# Altium PCB Board_Design.PcbDoc (part 2 of 3)
Units mil, origin at the board's own origin, x right, y up, seen from the top; angles counter-clockwise.
Board outline 5510 x 2520.05 mil, 4 copper layers (Top Layer, Power, Ground, Bottom Layer); 243 components, 205 nets, 933 pads, 499 vias.
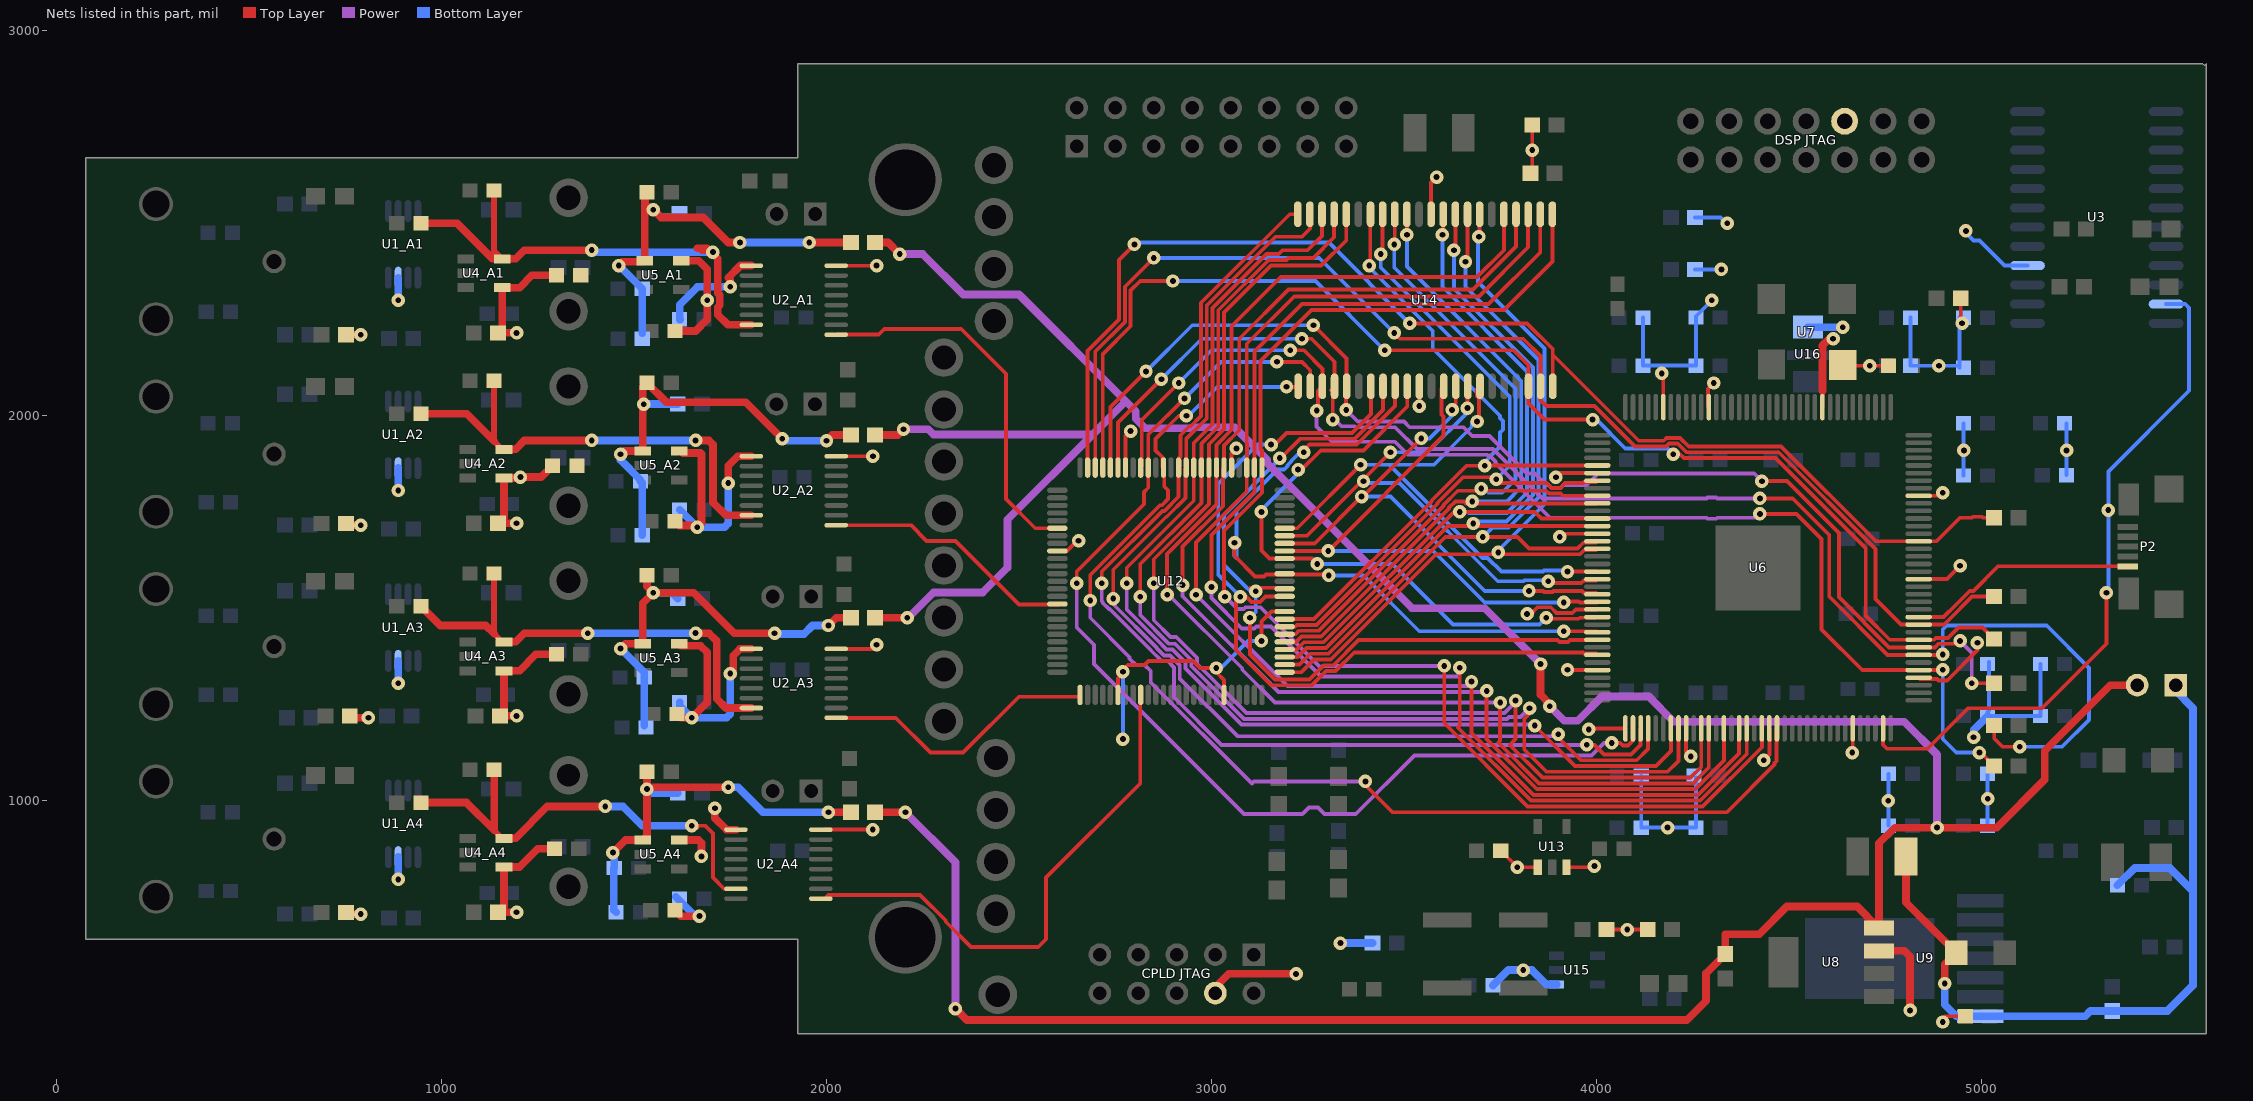
[diagram p4: the nets of this part, all layers, seen from the top]

## Via types
v1: diameter 35, hole 15, Top Layer to Bottom Layer, tented both sides, 473 vias
v2: diameter 35, hole 15, Top Layer to Bottom Layer, 25 vias
v3: diameter 35, hole 15, Top Layer to Bottom Layer, tented top, 1 vias

## Nets (pads, with @x,y where several pads share a name; then routed paths per layer and width w, separated by ;. In a path a pad name is that pad's centre, name@x,y a point inside that pad or via, vN(x,y) a via of type N, cw(c..) or ccw(c..) an arc to the next point about the centre after c; other vN are vias at no path point) (continued)
3.3VD: "CPLD JTAG.4" "DSP JTAG.5" C23.1 C24.1 C25.1 C26.1 C27.1 C28.1 C29.1 C30.1 C31.1 C32.1 C33.1 C34.1 C35.1 C36.1 C37.1 C38.1 C39.1 C40.1 C41.1 C42.1 C43.1 C44.1 C45.1 C46.1 C53.1 C55.1 C56.1 C57.1 R6.2 R9.1 R11.1 R12.1 R25.1 R26.2 R27.1 R39.1 U2_A1.16 U2_A2.16 U2_A3.16 U2_A4.16 U3.16 U6.10 U6.25 U6.31 U6.42 U6.50 U6.60 U6.68 U6.73 U6.81 U6.92 U6.103 U6.112 U6.125 U6.136 U7.4 U8.3 U12.9 U12.31 U12.45 U12.59 U12.80 U12.94 U13.1 U13.3 U14.11 U14.33 U15.1 U16.1 | length 7352.9
  Top Layer w10: U2_A4.16@1995.47,925 v1(2120,925) ; U2_A3.16@2025.24,1394.27 v1@2124.05,1394.27 ; U2_A2.16@2025.24,1894.78 v1(2120.43,1894.78) ; U2_A1.16@2025.24,2389.78 v1@2129.57,2389.78 ; U12.9@2599.72,1648.74 2624.85,1648.74 2651.11,1675 v1(2655,1675) ; U12.31@2757.2,1274.72 2757.2,1317.8 2770,1330.59 v1(2770,1335) v1@2765,1335 ; v1@2760,1330 v1@2765,1335 ; U12.94@2776.89,1865.28 2776.89,1946.89 v1(2790,1960) ; 3010,500 3010,515 ; U12.45@3032.8,1274.72 3032.8,1313.31 3012.48,1333.63 v1(3012.48,1344.59) 2970.41,1344.59 2952.5,1362.5 2836.39,1362.5 2826.39,1352.5 2782.5,1352.5 v1@2765,1335 ; U12.80@3052.48,1865.28 3052.48,1902.48 v1(3065,1915) ; v1(3130,1415) 3130,1465 3156.26,1491.26 U12.59@3190.28,1491.26 ; v1@3540.25,2020.25 U14.33@3540.25,2076.5 ; U14.11@3570.75,2523.5 3570.75,2605.75 v1(3585,2620) ; C53.1@3751.5,870 v1(3794.65,826.85) U13.1@3847.6,826.85 ; v1(3820,1485) 3830,1485 3847.5,1502.5 3881.39,1502.5 3896.39,1487.5 3937.5,1487.5 3946.73,1496.73 U6.60@4002.68,1496.73 ; R26.2@3833.5,2635 R25.1@3833.5,2755 ; v1@3890,1851.06 U6.42@4002.68,1851.06 ; v1(3905,1685) 3913.58,1693.58 U6.50@4002.68,1693.58 ; U13.3@3922.4,826.85 3991.85,826.85 v1(3995,830) ; v1@3925.75,1339.25 U6.68@4002.68,1339.25 ; v1@3982.68,1187.68 U6.73@4075.51,1187.68 ; R11.1@4026.5,665.21 R12.1@4133.5,665.21 ; U6.31@4173.94,2022.32 v1@4173.94,2108.94 ; U6.81@4232.99,1187.68 4232.99,1127.01 v1(4245,1115) ; U6.25@4292.05,2022.32 4290,2024.37 4290,2070 v1(4305,2085) ; v1(4435,1105) 4449.53,1119.53 U6.92@4449.53,1187.68 ; U6.10@4587.32,2022.32 4587.32,2065 ; U7.4@4640,2132 4642,2130 C56.1@4758.5,2130 ; v1@4666.06,1126.06 U6.103@4666.06,1187.68 ; U6.112@4837.32,1319.57 4841.1,1315.79 4885.32,1315.79 4888.61,1312.5 4911.39,1312.5 4990,1391.11 v1(4990,1410) ; U6.125@4837.32,1575.47 4910.47,1575.47 v1(4945,1610) ; U6.136@4837.32,1792.01 4892.01,1792.01 v1(4900,1800) ; v1(4900,425) 4890,425 4905,440 C55.1@4958.5,440 ; v1@4946.5,2243.5 R27.1@4946.5,2305
  Top Layer w20: 3010,515 3045,550 v1(3220,550) ; 4587.32,2065 4587.32,2182.32 4605,2200 v1(4615,2200) ; U8.3@4734.02,609.74 4799.53,609.74 4815,594.27 v1(4815,455)
  Bottom Layer w10: v1(2770,1160) v1(2770,1335) ; v1(3012.48,1344.59) 3024.59,1344.59 3095,1415 v1(3130,1415) ; C46.1@4116.5,1065 C43.1@4116.5,930 v1(4185,930) C44.1@4258.5,930 C45.1@4258.5,1060 ; C36.1@4121.5,2130 C37.1@4121.5,2255 ; C36.1@4121.71,2130.21 C34.1@4258.5,2130.21 C35.1@4258.5,2255.21 4258.5,2258.5 v1(4300,2300) ; R6.2@4256.5,2380 v1(4325,2380) ; R9.1@4256.5,2515 4322.5,2515 4337.5,2500 v1(4340,2500) ; C42.1@4758.5,935 C40.1@4758.5,1070 ; C33.1@4816.5,2255 C31.1@4816.5,2129.79 C30.1@4943.5,2129.79 ; C30.1@4943.5,2125 C30.1@4943.5,2129.79 ; C32.1@4943.5,2255 C30.1@4943.5,2129.79 ; C24.1@4953.5,1844.79 C23.1@4953.5,1980 ; v1(4960,2480) 4960,2475 4980,2455 4995,2455 5060,2390 U3.16@5119.88,2390 ; C41.1@5016.5,935 C39.1@5016.5,1070 ; C28.1@5016.5,1220 C29.1@5153.5,1220 C38.1@5153.5,1355 ; C28.1@5016.5,1230.21 5020,1233.72 C27.1@5020,1360 ; C25.1@5221.5,1845.21 C26.1@5221.5,1980
  Bottom Layer w20: v1(3335,630) R39.1@3418.5,630 ; C57.1@3731.5,520 3771.5,560 v1(3810,560) 3832.6,560 3870,522.6 U15.1@3896.85,522.6 ; U16.1@4550,2230 v1(4640,2230) ; v1(4980,1165) 4980,1183.5 C28.1@5016.5,1220
  other v1: 4080,665.21 4758.5,1000 5016.5,1005 4665,1125 3980,1185 3925,1340 2130,1405 3895,1840 4955,1910 5221.5,1910 3540,2025 4170,2110 4710,2130 4890,2130 4950,2240 2130,2390.21 3833.5,2690
4.2V_A1: C1_A1.2 C7_A1.2 C63_A1.1 R5_A1.2 R7_A1.1 U1_A1.7 U2_A1.1 U4_A1.4 U5_A1.5 | length 1014.3
  Top Layer w20: R7_A1.1@751.5,2210.21 v1(790,2210.21) ; v1(1195,2215.21) R5_A1.2@1146.5,2215.21 1157.24,2225.96 U4_A1.4@1157.24,2332.81 1202.6,2332.81 1234.79,2365 C63_A1.1@1298.5,2365 ; C7_A1.2@1606.5,2220.21 1660,2220.21 1690,2250.21 v1(1690,2300.21) 1690,2380.21 1667.6,2402.62 U5_A1.5@1622.24,2402.62 ; v1(1750,2335) 1750,2353.6 1745,2358.6 1776.62,2390.21 1804.33,2390.21 U2_A1.1@1804.76,2389.78
  Bottom Layer w20: v1(887.2,2300.21) U1_A1.7@887.2,2358.6 ; C1_A1.2@1620,2250.21 C1_A1.2@1618.5,2250.21 1618.5,2288.5 1665,2335 v1(1750,2335)
4.2V_A2: C1_A2.2 C7_A2.2 C63_A2.1 R5_A2.2 R7_A2.1 U1_A2.7 U2_A2.1 U4_A2.4 U5_A2.5 | length 1091
  Top Layer w20: R7_A2.1@751.5,1715.73 v1(790,1715.73) ; U4_A2.4@1157.24,1838.32 v1@1202.6,1838.32 ; U4_A2.4@1162.24,1837.81 1162.24,1736.47 R5_A2.2@1146.5,1720.73 v1(1195,1720.73) ; v1(1205,1840.73) 1259.23,1840.73 C63_A2.1@1288.5,1870 ; C7_A2.2@1606.5,1725.73 1617.22,1715 1670,1715 1675,1720 1675,1900.73 1672.5,1903.23 1627.15,1903.23 U5_A2.5@1622.24,1908.13 ; v1(1745,1825) 1745,1870.21 1769.57,1894.78 U2_A2.1@1804.76,1894.78
  Bottom Layer w20: v1(887.2,1805.73) U1_A2.7@887.2,1864.11 ; C1_A2.2@1618.5,1755.73 v1(1664.02,1710.21) 1735,1710.21 1745,1720.21 v1(1745,1825)
4.2V_A3: C1_A3.2 C7_A3.2 C63_A3.1 R5_A3.2 R7_A3.1 U1_A3.7 U2_A3.1 U4_A3.4 U5_A3.5 | length 1126.4
  Top Layer w20: R7_A3.1@751.5,1215.21 v1(810,1215.21) ; U4_A3.4@1157.24,1337.81 1202.6,1337.81 1244.79,1380 C63_A3.1@1298.5,1380 ; U4_A3.4@1162.24,1337.3 1162.24,1230.96 R5_A3.2@1151.5,1220.21 v1(1195,1220.21) ; C7_A3.2@1606.5,1225.21 C7_A3.2@1611.5,1225.21 1621.5,1215.21 v1(1650,1215.21) 1690,1255.21 1690,1385.21 1672.5,1402.71 1622.15,1402.71 U5_A3.5@1617.24,1407.62 ; v1(1750,1330) 1755.88,1330 1758.05,1332.17 1758.05,1376.84 1775.48,1394.27 U2_A3.1@1804.76,1394.27
  Bottom Layer w20: v1(887.2,1305.21) U1_A3.7@887.2,1363.6 ; C1_A3.2@1618.5,1255.21 1618.5,1246.71 v1(1650,1215.21) 1740,1215.21 1750,1225.21 v1(1750,1330)
4.2V_A4: C1_A4.2 C7_A4.2 C63_A4.1 R5_A4.2 R7_A4.1 U1_A4.7 U2_A4.1 U4_A4.4 U5_A4.5 | length 757.2
  Top Layer w20: R7_A4.1@751.5,705.21 v1(790,705.21) ; U4_A4.4@1157.24,827.81 1202.6,827.81 1249.79,875 C63_A4.1@1293.5,875 ; U4_A4.4@1162.24,827.3 1162.24,725.96 R5_A4.2@1146.5,710.21 v1(1195,710.21) ; C7_A4.2@1606.5,715.21 1621.71,700 v1(1670,700) ; U5_A4.5@1622.24,897.62 1667.6,897.62 1675,890.21 v1(1675,855) ; v1(1710,980) 1710,955 1740.43,924.57 U2_A4.1@1764.76,924.57
  Bottom Layer w20: v1(887.2,795.21) U1_A4.7@887.2,853.6 ; C1_A4.2@1608.5,750.43 v1@1664.47,694.47
4.096V_A1: C5_A1.2 C62_A1.1 U2_A1.7 U4_A1.5 | length 1350
  Top Layer w10: 1665,2435.21 1675.21,2425 v1(1705,2425)
  Top Layer w15: C5_A1.2@1136.5,2585.21 1136.5,2428.36 U4_A1.5@1157.24,2407.62
  Top Layer w20: C62_A1.1@946.5,2500 1040,2500 1132.38,2407.62 U4_A1.5@1157.24,2407.62 1192.4,2407.62 1215,2430.21 v1(1390,2430.21) ; 1665,2435.21 1690,2435.21 1717.5,2407.71 1717.5,2318.68 1722.5,2313.68 1722.5,2286.75 1717.5,2281.75 1717.5,2262.71 1743.98,2236.24 U2_A1.7@1804.76,2236.24
  Bottom Layer w20: v1(1390,2430.21) 1395.21,2425 v1(1705,2425)
4.096V_A2: C5_A2.2 C62_A2.1 U2_A2.7 U4_A2.5 | length 1238
  Top Layer w10: v1(1660,1935.73) v1@1665,1940.73
  Top Layer w15: C5_A2.2@1136.5,2090.73 1136.5,1933.88 U4_A2.5@1157.24,1913.13
  Top Layer w20: C62_A2.1@946.5,2005 1065.37,2005 1136.5,1933.88 ; U4_A2.5@1157.24,1913.13 1192.4,1913.13 1215,1935.73 v1(1390,1935.73) ; v1(1660,1935.73) 1694.49,1935.73 1705,1925.21 1705,1775.21 1738.98,1741.24 U2_A2.7@1804.76,1741.24
  Bottom Layer w20: v1(1390,1935.73) v1(1660,1935.73)
4.096V_A3: C5_A3.2 C62_A3.1 U2_A3.7 U4_A3.5 | length 1238.4
  Top Layer w10: v1(1660,1435.21) v1@1665,1440.21
  Top Layer w15: C5_A3.2@1136.5,1590.21 1136.5,1433.36 U4_A3.5@1157.24,1412.62
  Top Layer w20: C62_A3.1@946.5,1505 996.5,1455 1114.86,1455 1136.5,1433.36 ; U4_A3.5@1157.24,1412.62 1192.4,1412.62 1215,1435.21 1215.21,1435 v1(1380,1435) ; v1(1660,1435.21) 1694.49,1435.21 1715,1414.7 1715,1264.7 1738.98,1240.73 U2_A3.7@1804.76,1240.73
  Bottom Layer w20: v1(1380,1435) 1659.79,1435 v1(1660,1435.21)
4.096V_A4: C5_A4.2 C62_A4.1 U2_A4.7 U4_A4.5 | length 1220.3
  Top Layer w10: v1@1665,930.21 1660.21,935 v1(1650,935) 1684.7,935 1705,914.7 1705,800 1733.98,771.02 U2_A4.7@1764.76,771.02
  Top Layer w15: 1136.5,923.36 U4_A4.5@1157.24,902.62
  Top Layer w20: C62_A4.1@946.5,995 1064.86,995 1136.5,923.36 C5_A4.2@1136.5,1080.21 ; U4_A4.5@1157.24,902.62 1192.4,902.62 1274.79,985 v1(1425,985)
  Bottom Layer w20: v1(1425,985) 1471.11,985 1521.11,935 1540.68,935 v1(1650,935)
5V_A1: C6_A1.2 C50_A1.1 C61_A1.1 FB1_A1.2 R8_A1.2 U5_A1.1 | length 1114.3
  Top Layer w10: C6_A1.2@1533.5,2574.47 1533.5,2551.71 v1(1550,2535.21)
  Top Layer w20: v1(1460,2390) 1470,2400 1525.14,2400 U5_A1.1@1527.76,2402.62 C6_A1.2@1527.76,2574.47 ; v1(1550,2535.21) 1570.21,2515 1680,2515 1745,2450 v1(1775,2450) ; v1(1955,2450) FB1_A1.2@2063.5,2450
  Bottom Layer w10: v1(1550,2535.21) 1565,2520.21 R8_A1.2@1618.5,2520.21
  Bottom Layer w20: v1@1461.5,2390 C61_A1.1@1521.5,2330 C50_A1.1@1521.5,2215 ; v1(1775,2450) v1(1955,2450)
5V_A2: C6_A2.2 C50_A2.1 C61_A2.1 FB1_A2.2 R8_A2.2 U5_A2.1 | length 1156.7
  Top Layer w20: v1(1465,1900) 1473.13,1908.13 U5_A2.1@1522.76,1908.13 1522.76,2074.98 C6_A2.2@1533.5,2085.73 1584.23,2035 1790,2035 v1(1885,1940) ; v1(2000,1935) 2015,1950 FB1_A2.2@2063.5,1950
  Bottom Layer w20: v1(1465,1900) 1465,1885 1516.5,1833.5 C61_A2.1@1516.5,1830 ; C50_A2.1@1521.5,1690 C61_A2.1@1521.5,1825 ; v1(1525,2030) 1525.21,2030.21 R8_A2.2@1613.5,2030.21 ; v1(1885,1940) 1890,1935 v1(2000,1935)
5V_A3: C6_A3.2 C50_A3.1 C61_A3.1 FB1_A3.2 R8_A3.2 U5_A3.1 | length 1125.8
  Top Layer w20: v1(1465,1395) 1477.62,1407.62 U5_A3.1@1522.76,1407.62 1522.76,1512.97 v1(1550,1540.21) ; C6_A3.2@1533.5,1585.21 1533.5,1556.71 v1(1550,1540.21) ; v1(1865,1435) 1760,1435 1654.79,1540.21 v1(1550,1540.21) ; v1(2005,1455) 2025,1475 FB1_A3.2@2063.5,1475
  Bottom Layer w20: v1(1465,1395) 1526.5,1333.5 C61_A3.1@1526.5,1320 C50_A3.1@1526.5,1195 ; v1(1550,1540.21) 1598.5,1540.21 R8_A3.2@1613.5,1525.21 ; v1@1867.71,1432.71 1941.39,1432.71 1963.68,1455 v1(2005,1455)
5V_A4: C6_A4.2 C50_A4.1 C61_A4.1 FB1_A4.2 R8_A4.2 U5_A4.1 | length 1071
  Top Layer w20: v1(1445,865) 1477.62,897.62 U5_A4.1@1522.76,897.62 1533.5,908.36 v1(1533.5,1030) ; C6_A4.2@1533.5,1075.21 v1(1533.5,1030) ; v1(1745,1035) 1538.5,1035 v1(1533.5,1030) ; v1(2005,970) FB1_A4.2@2063.5,970
  Bottom Layer w20: v1@1448.5,861.5 C61_A4.1@1448.5,825 1447.5,824 1447.5,716 C50_A4.1@1453.5,710 ; v1(1533.5,1030) 1543.8,1019.7 R8_A4.2@1613.5,1019.7 ; v1(1745,1035) 1770,1035 1835,970 v1(2005,970)
5VD: 5V.2 FB1_A1.1 FB1_A2.1 FB1_A3.1 FB1_A4.1 R13.1 U8.4 | length 9530
  Top Layer w20: FB1_A4.1@2126.5,970 v1(2205,970) ; FB1_A3.1@2126.5,1475 v1(2210,1475) ; FB1_A2.1@2126.5,1950 2185,1950 v1(2200,1965) ; FB1_A1.1@2126.5,2450 2160,2450 v1(2190,2420) ; v1(2335,460) 2365,430 4235,430 4285,480 4285,551.5 R13.1@4335,601.5 4335,652.71 4422.71,652.71 4495,725 4677.81,725 U8.4@4734.02,668.8 4734.02,889.02 4775,930 v1(4885,930) 5040,930 5165,1055 5165,1130 5335,1300 5V.2@5405,1300 ; v1(3855,1355) 3855,1275 3879.04,1250.96 v1(3879.04,1245)
  Power w20: v1(2190,2420) 2250,2420 2355,2315 2500,2315 2775,2040 ; v1(2200,1965) 2264.06,1965 2278.08,1950.98 2690.98,1950.98 ; v1(2205,970) 2335,840 v1(2335,460) ; v1@2212.09,1475 2278.08,1540.98 2405.98,1540.98 2470,1605 2470,1730 2690.98,1950.98 ; v1(3855,1355) 3710,1500 3521.26,1500 3144.72,1876.54 3144.72,1885.28 3060,1970 2950.96,1970 2948.46,1967.5 2828.46,1967.5 2803.46,1992.5 2803.46,2011.54 2775,2040 ; v1(3879.04,1245) 3916.54,1207.5 3951.54,1207.5 4014.59,1270.55 4135.55,1270.55 4201.1,1205 4800,1205 4885,1120 v1(4885,930) ; 2690.98,1950.98 2775,2035 2775,2040
5VD_1: 5V.1 C49.2 C51.1 C52.1 R22.1 U9.7 | length 2180.8
  Top Layer w20: C51.1@4804.21,855 4804.21,735.79 C52.1@4935,605 4905,575 v1(4905,525)
  Bottom Layer w20: v1(4905,525) 4905,470 4935,440 U9.7@4997.6,440 5270,440 5283.5,453.5 R22.1@5340,453.5 5483.5,453.5 5550,520 5550,765 ; C49.2@5353.5,780 5398.5,825 5490,825 5550,765 ; 5V.1@5505,1300 5505,1285 5550,1240 5550,765
A0: U6.91 U12.76 U14.1 | length 3472.7
  Top Layer w10: v1(3035,1530) 3032.5,1532.5 3032.5,1701.18 3131.22,1799.9 U12.76@3131.22,1865.28 3131.22,1909.89 3127.5,1913.61 3127.5,2142.5 3260,2275 3760,2275 3885.71,2400.71 U14.1@3885.71,2523.5 ; v1(3605,1350) 3605,1200.94 3820.94,985 4276.07,985 4429.84,1138.78 U6.91@4429.84,1187.68
  Power w10: v1(3035,1530) 3067.5,1497.5 3083.61,1497.5 3088.61,1502.5 3127.5,1502.5 3285,1345 3290,1350 v1(3605,1350)
A1: U6.89 U12.77 U14.2 | length 3490.2
  Top Layer w10: v1(3000,1555) 3000,1689.9 3111.54,1801.43 U12.77@3111.54,1865.28 3111.54,2166.54 3235,2290 3720,2290 3854.21,2424.21 U14.2@3854.21,2523.5 ; v1(3645,1345) 3645,1195 3640,1190 3830,1000 4269.85,1000 4390.47,1120.62 U6.89@4390.47,1187.68
  Power w10: v1(3000,1555) 3000,1526.11 3078.61,1447.5 3111.39,1447.5 3116.39,1452.5 3154.67,1452.5 3284.67,1322.5 3637.5,1322.5 3645,1330 v1(3645,1345)
A2: U6.88 U12.78 U14.3 | length 3451.8
  Top Layer w10: v1(2960,1535) 2960,1671.11 3091.85,1802.96 U12.78@3091.85,1865.28 3092.5,1865.93 3092.5,1926.39 3091.85,1927.04 3091.85,2186.85 3215,2310 3695,2310 3822.72,2437.72 U14.3@3822.72,2523.5 ; v1(3675.62,1309.38) 3675.62,1175.62 3836.25,1015 4263.64,1015 4370.79,1122.15 U6.88@4370.79,1187.68
  Power w10: v1(2960,1535) 3197.5,1297.5 3663.75,1297.5 v1(3675.62,1309.38)
A3: U6.86 U12.81 U14.4 | length 3435.9
  Top Layer w10: v1(2925,1560) 2925,1659.85 3030,1764.85 3030,1862.48 U12.81@3032.8,1865.28 3032.8,1922.8 3072.17,1962.17 3072.17,2200 3200,2327.83 3679.05,2327.83 3791.22,2440.01 U14.4@3791.22,2523.5 ; v1(3715,1285) 3715,1160 3845,1030 4257.43,1030 4331.42,1103.99 U6.86@4331.42,1187.68
  Power w10: v1(2925,1560) 2925,1531.11 3174.23,1281.88 3711.88,1281.88 v1(3715,1285)
A4: U6.84 U12.82 U14.5 | length 3448.5
  Top Layer w10: v1(2885,1535) 2885,1641.07 3013.11,1769.18 U12.82@3013.11,1865.28 3013.11,1924.32 3052.48,1963.69 3052.48,2232.48 3180,2360 3690,2360 3759.72,2429.72 U14.5@3759.72,2523.5 ; v1(3750,1255) 3750,1156.25 3745,1151.25 3851.25,1045 4251.21,1045 4292.05,1085.83 U6.84@4292.05,1187.68
  Power w10: v1(2885,1535) 2888.89,1535 3079.98,1343.91 3079.98,1340.02 3165,1255 v1(3750,1255)
A5: U6.83 U12.83 U14.18 | length 3168.5
  Top Layer w10: v1(2850,1565) 2850,1627.28 2993.43,1770.7 U12.83@2993.43,1865.28 2993.43,1925.85 3032.8,1965.22 3032.8,2267.8 3155,2390 3285,2390 3350.28,2455.28 U14.18@3350.28,2523.5 ; v1(3790,1260) 3790,1160 3775,1145 3860,1060 4245,1060 4272.36,1087.36 4272.36,1103.47 4272.5,1103.61 4272.5,1126.39 4272.36,1126.53 U6.83@4272.36,1187.68
  Power w10: v1(2850,1565) 2850,1468.74 2893.74,1425 2908.74,1425 2962.5,1371.24 2962.5,1355.68 3090.68,1227.5 3761.39,1227.5 3790,1256.11 v1(3790,1260)
A6: U6.80 U12.84 U14.19 | length 3093.1
  Top Layer w10: v1(2815,1530) 2815,1615 2973.74,1773.74 U12.84@2973.74,1865.28 2973.74,1927.38 3017.8,1971.43 3017.8,2274.01 3148.79,2405 3195,2405 3200,2410 3265,2410 3318.78,2463.78 U14.19@3318.78,2523.5 ; v1(3826.57,1240) 3826.57,1226.57 3812.5,1212.5 3812.5,1132.5 3870,1075 4185,1075 4213.31,1103.31 U6.80@4213.31,1187.68
  Power w10: v1(2815,1530) 2815,1482.53 2887.5,1410.03 2887.5,1409.47 2889.47,1407.5 2905.03,1407.5 2947.5,1365.03 2947.5,1349.47 3084.47,1212.5 3767.6,1212.5 3772.6,1217.5 3802.5,1217.5 3825,1240 v1(3826.57,1240)
A7: U6.79 U12.85 U14.20 | length 2969.6
  Top Layer w10: v1(2780,1565) 2780,1605 2954.06,1779.06 U12.85@2954.06,1865.28 2954.06,1929.06 3002.8,1977.8 3002.8,2280.22 3142.57,2420 3175,2420 3185,2430 3250,2430 3287.28,2467.28 U14.20@3287.28,2523.5 ; v1(3840,1195) 3840,1194.54 3944.54,1090 4155,1090 4193.62,1128.62 U6.79@4193.62,1187.68
  Power w10: v1(2780,1565) 2780,1496.32 2872.5,1403.82 2872.5,1403.25 2883.25,1392.5 2898.82,1392.5 2932.5,1358.82 2932.5,1343.25 3078.25,1197.5 3832.5,1197.5 3835,1195 v1(3840,1195)
  Bottom Layer w10: v1@3832.5,1197.5 3835,1195 v1(3840,1195)
A8: U6.76 U12.86 U14.21 | length 2938.8
  Top Layer w10: v1(2745,1525) 2745,1600 2882.5,1737.5 2883.82,1737.5 2932.5,1786.18 2932.5,1863.41 U12.86@2934.37,1865.28 2934.37,1939.37 2952.5,1957.5 2952.6,1957.5 2987.8,1992.69 2987.8,2286.43 3166.36,2465 3235,2465 3255.79,2485.79 U14.21@3255.79,2523.5 ; v1(3900.93,1172.5) 3897.5,1172.5 3895,1170 3960,1105 4105,1105 4134.57,1134.57 U6.76@4134.57,1187.68
  Power w10: v1(2745,1525) 2745,1510.1 2857.5,1397.6 2857.5,1397.04 2877.04,1377.5 2892.6,1377.5 2917.5,1352.6 2917.5,1317.5 3067.5,1167.5 3907.5,1167.5 3902.5,1172.5 v1(3900.93,1172.5)
A9: U6.75 U12.87 U14.22 | length 2898.7
  Top Layer w10: v1(2715,1565) 2715,1595 2872.5,1752.5 2877.6,1752.5 2914.68,1789.58 U12.87@2914.68,1865.28 2917.48,1868.07 2917.48,1891.96 2919.37,1893.85 2919.37,1949.37 2942.5,1972.5 2946.39,1972.5 2972.8,1998.9 2972.8,2292.65 2975,2294.85 2975,2295 3203.5,2523.5 U14.22@3224.29,2523.5 ; v1(3975,1145) 3995,1145 4020,1120 4090,1120 4114.88,1144.88 U6.75@4114.88,1187.68
  Power w10: v1(2715,1565) 2715,1518.89 2717.5,1516.39 2717.5,1513.61 2733.61,1497.5 2735.83,1497.5 2825.83,1407.5 2826.39,1407.5 2842.5,1391.39 2842.5,1390.83 2870.83,1362.5 2886.39,1362.5 2902.5,1346.39 2902.5,1268.61 3026.11,1145 v1(3975,1145)
A10: U6.93 U12.89 U14.23 | length 3162.6
  Top Layer w10: v1(2685,1520) 2685,1586.21 2866.29,1767.5 2871.39,1767.5 2887.5,1783.61 2887.5,1806.39 2877.5,1816.39 2877.5,1863.09 U12.89@2875.32,1865.28 2872.52,1868.07 2872.52,1891.96 2855,1909.48 2855,1940 2915,2000 v1(2935,2000) ; v1(3195,2075) U14.23@3223.8,2075 ; v1@3392.5,1047.5 3395,1050 v1(3400,1050) 3400,1040 3470,970 4338.89,970 4462.5,1093.61 4462.5,1097.5 4467.5,1102.5 4467.5,1185.96 U6.93@4469.21,1187.68
  Power w10: v1(2685,1520) 2685,1475 2787.5,1372.5 2787.5,1368.61 2803.61,1352.5 2826.39,1352.5 2842.5,1336.39 2842.5,1307.4 3104.9,1045 3109.9,1050 v1(3400,1050)
  Bottom Layer w10: v1(2935,2000) 2940,2000 3015,2075 v1(3195,2075)
A11: U6.74 U12.91 U14.24 | length 2926.5
  Top Layer w10: v1(2650,1565) 2650,1595 2825,1770 2825,1801.82 2835.94,1812.76 U12.91@2835.94,1865.28 2835.94,1950.94 v1(2930,2045) ; v1(3170,2140) 3235,2140 3256.79,2118.21 U14.24@3256.79,2076.5 U14.24@3255,2074.71 ; v1@4050,1150 4062.15,1150 4068.92,1143.23 4082.1,1143.23 4095.2,1156.33 U6.74@4095.2,1187.68
  Power w10: v1(2650,1565) 2650,1450 2695,1405 2695,1355 3085,965 3236.11,965 3253.61,982.5 3276.39,982.5 3293.89,965 3375,965 3527.5,1117.5 3987.5,1117.5 4020,1150 v1(4040,1150)
  Bottom Layer w10: v1(2930,2045) 3025,2140 v1(3170,2140)
A12: R28.2 U6.113 U12.92 U14.25 | length 3226.4
  Top Layer w10: U12.92@2816.26,1865.28 2819.06,1868.07 2819.06,1989.06 v1(2915,2085) ; v1(3205,2170) 3240,2170 3288.28,2121.72 U14.25@3288.28,2076.5 ; v1(3273.32,2013.32) 3276.63,2016.63 3276.63,2064.84 U14.25@3285,2073.21 ; v1(4425,1745) 4520,1745 4585,1680 4585,1445 4690.75,1339.25 U6.113@4837.32,1339.25 v1@4899.25,1339.25 ; v1(4995,1125) 4995,1128.5 R28.2@5033.5,1090
  Power w10: v1(3273.32,2013.32) 3273.32,1971.68 3312.5,1932.5 3476.39,1932.5 3510.28,1898.61 3716.39,1898.61 3717.5,1897.5 3721.39,1897.5 3737.5,1881.39 3737.5,1877.5 3880,1735 4286.11,1735 4288.61,1732.5 4311.39,1732.5 4313.89,1735 4415,1735 v1(4425,1745)
  Bottom Layer w10: v1(2915,2085) 3000,2170 v1(3205,2170) ; v1(4900,1340) 4900,1160 4935,1125 v1(4995,1125)
A13: R29.2 U6.115 U12.95 U14.26 | length 3836.2
  Top Layer w10: U12.95@2757.2,1865.28 2757.2,1982.2 v1(2870,2095) ; v1(3235,2200) 3260,2200 3319.78,2140.22 U14.26@3319.78,2076.5 ; v1(3315,1990) 3315,2061.28 3310,2066.28 U14.26@3320,2076.28 ; v1(4425,1785) 4510,1785 4605,1690 4605,1530 4756.38,1378.62 U6.115@4837.32,1378.62 v1@4898.62,1378.62 ; R29.2@5033.5,1195 5033.5,1161.5 5055,1140 v1(5100,1140)
  Power w10: v1(3315,1990) 3320,1990 3337.5,1972.5 3371.29,1972.5 3373.79,1970 3477.22,1970 3533.61,1913.61 3731.39,1913.61 3860,1785 4286.11,1785 4288.61,1787.5 4311.39,1787.5 4313.89,1785 v1(4425,1785)
  Bottom Layer w10: v1(2870,2095) 2975,2200 v1(3235,2200) ; v1@4903.7,1383.7 v1(4900,1380) 4900,1445 4910,1455 5170,1455 5280,1345 5280,1210 5210,1140 v1(5100,1140)
A14: R30.2 U6.116 U12.96 U14.27 | length 3193.9
  Top Layer w10: U12.96@2737.52,1865.28 2737.52,2022.52 v1(2830,2115) ; v1(3265,2235) 3351.28,2148.72 U14.27@3351.28,2076.5 ; v1(3350,2015) U14.27@3350,2075.22 ; v1(4430,1830) 4495,1830 4630,1695 4630,1528.79 4760.48,1398.31 U6.116@4837.32,1398.31 4879.42,1398.31 4888.61,1407.5 4937.5,1407.5 v1(4945,1415) ; v1(4975,1305) R30.2@5033.5,1305
  Power w10: v1(3350,2015) 3380,1985 3500,1985 3515,1970 3655,1970 3677.5,1947.5 3722.5,1947.5 3820,1850 3840,1850 3870,1820 3876.11,1820 3883.61,1812.5 3906.39,1812.5 3913.89,1820 3975,1820 4005,1850 4410,1850 v1(4430,1830) ; v1(4945,1415) 4975,1385 v1(4975,1305)
  Bottom Layer w10: v1(2830,2115) 2950,2235 v1(3265,2235)
A15: R31.2 U6.117 U12.97 U14.42 | length 3316.3
  Top Layer w10: U12.97@2717.83,1865.28 2717.83,2160.31 2790,2232.48 2790,2325 2815,2350 v1(2900,2350) ; v1(3450,2170) 3785,2170 3823.72,2131.28 U14.42@3823.72,2076.5 3823.72,2031.28 3865,1990 v1(3990,1990) ; v1(4200,1900) 4217.68,1900 4227.68,1890 4465,1890 4700,1655 4700,1480 4762.01,1417.99 U6.117@4837.32,1417.99 4877.89,1417.99 4882.4,1422.5 4913.61,1422.5 4941.11,1450 5003.5,1450 R31.2@5033.5,1420
  Bottom Layer w10: v1(2900,2350) 3270,2350 v1(3450,2170) ; v1(3990,1990) 4000,1990 4075,1915 4185,1915 v1(4200,1900)
A16: R32.2 U6.119 U12.98 U14.43 | length 3365.5
  Top Layer w10: U12.98@2698.15,1865.28 2698.15,2166.94 2775,2243.79 2775,2335 v1(2850,2410) ; v1(3475,2215) 3490,2200 3810,2200 3855.21,2154.79 U14.43@3855.21,2076.5 3855.21,2039.79 3870,2025 3995,2025 4100,1920 4181.11,1920 4188.61,1927.5 4211.39,1927.5 4233.89,1905 4473.79,1905 4725,1653.79 4725,1523.91 4791.55,1457.36 U6.119@4837.32,1457.36 4903.58,1457.36 4947.5,1501.29 4947.5,1501.39 4976.11,1530 R32.2@5033.5,1530
  Bottom Layer w10: v1(2850,2410) 3280,2410 v1(3475,2215)
A17: R33.2 U6.130 U12.99 U14.44 | length 3311.3
  Top Layer w10: U12.99@2678.46,1865.28 2678.46,2168.46 2760,2250 2760,2405 v1(2800,2445) ; v1(3515,2240) 3820,2240 3886.71,2173.29 3886.71,2158.29 ; U14.44@3886.71,2076.5 3886.71,2158.29 ; R33.2@5033.5,1735 5003.89,1735 5001.39,1737.5 4978.61,1737.5 4976.11,1735 4945,1735 4883.9,1673.9 U6.130@4837.32,1673.9 4726.1,1673.9 4480,1920 4240.1,1920 4217.6,1942.5 4182.4,1942.5 4174.9,1935 4110,1935 3886.71,2158.29
  Bottom Layer w10: v1(2800,2445) 2805,2450 3305,2450 v1(3515,2240)
AGND1: AGND_A1.1 C1_A1.1 C2_A1.1 C5_A1.1 C6_A1.1 C7_A1.1 C8_A1.1 C50_A1.2 C61_A1.2 C62_A1.2 D1_A1.1 NT1_A1.1 P1_A1.2 P1_A1.3 R3_A1.1 U1_A1.4 U2_A1.2 U2_A1.4 U2_A1.5 U2_A1.6 U3.21 U4_A1.2 U5_A1.2 | length 4295.8
  Top Layer w20: D1_A1.1@747.4,2570.21 v1(800,2570.21) ; v1(1020,2370.21) U4_A1.2@1062.76,2370.21 ; C5_A1.1@1073.5,2585.21 v1@1073.5,2620.21 ; U5_A1.2@1527.76,2365.21 1532.54,2370 v1(1565,2370) ; C6_A1.1@1596.5,2580.21 v1(1650,2580.21) ; v1(1730,2540) 1800,2610 NT1_A1.1@1800.63,2610 ; U2_A1.5@1802.35,2285 U2_A1.5@1804.76,2287.42 ; U2_A1.6@1804.76,2261.83 U2_A1.5@1804.76,2287.42 ; U2_A1.4@1804.76,2313.01 U2_A1.5@1804.76,2287.42 ; U2_A1.2@1809.76,2364.19 v1(1871.02,2364.19) ; v1(2075,2530) 2075,2650 2270,2845 5210,2845 5260,2795 5260,2650 v1(5255,2645)
  Bottom Layer w20: U1_A1.4@938.39,2531.83 v1@938.39,2578.6 ; R3_A1.1@1366.5,2385.21 v1(1410,2385.21) ; v1(1920,2195) 1920,2205 1946.5,2231.5 C8_A1.1@1946.5,2255.21 ; U3.21@5119.88,2640 5250,2640 v1(5255,2645)
  other v1: 1010,2300.21 385,2320.21 385,2430.21 525,2520.21 940,2580.21 1970,2600 1075,2620.21
AGND1: C63_A1.2
AGND2: AGND_A2.1 C1_A2.1 C2_A2.1 C5_A2.1 C6_A2.1 C7_A2.1 C8_A2.1 C50_A2.2 C61_A2.2 C62_A2.2 D1_A2.1 NT1_A2.1 P1_A2.2 P1_A2.3 R3_A2.1 U1_A2.4 U2_A2.2 U2_A2.4 U2_A2.5 U2_A2.6 U3.1 U4_A2.2 U5_A2.2 | length 4575.8
  Top Layer w20: D1_A2.1@747.4,2075.73 v1(800,2075.73) ; v1(1020,1875.73) U4_A2.2@1062.76,1875.73 ; C5_A2.1@1073.5,2090.73 v1@1073.5,2125.73 ; C6_A2.1@1596.5,2085.73 v1(1650,2085.73) ; U2_A2.6@1804.76,1766.83 U2_A2.5@1804.76,1792.42 U2_A2.4@1804.76,1818.01 ; v1@1984.17,2120 1984.58,2119.58 NT1_A2.1@2055,2119.58 v1(2154.58,2119.58) v1@2155,2120 ; v1(4925,2510) 4934.69,2519.69 5249.69,2519.69 5295,2565 5295,2835 v1(5315,2855)
  Bottom Layer w20: P1_A2.3@257.91,2049.82 P1_A2.3@257.91,2060 ; U1_A2.4@938.39,2037.34 v1@938.39,2084.11 ; R3_A2.1@1366.5,1890.73 1395,1862.22 v1(1395,1845) ; C1_A2.1@1681.5,1755.73 C1_A2.1@1681.5,1768.5 ; v1@1878.5,1804.23 C8_A2.1@1878.5,1840.73 ; v1(2154.58,2119.58) 2179.58,2119.58 2375,2315 2564.64,2315 2779.64,2530 3253.28,2530 3423.28,2700 3760,2700 3810,2650 4026.11,2650 4061.11,2615 4340,2615 4485,2470 4885,2470 v1(4925,2510) ; v1(5315,2855) 5415.12,2855 U3.1@5480.12,2790
  other v1: 1820,1685.21 1945,1715.21 1875,1800.73 1125,1875.21 335,1895.21 1810,1955.21 1255,1990.21 1450,2015.21 500,2045.21 1485,2065 940,2085.73 1980,2120.21 1075,2125.73
AGND2: C63_A2.2
AGND3: AGND_A3.1 C1_A3.1 C2_A3.1 C5_A3.1 C6_A3.1 C7_A3.1 C8_A3.1 C50_A3.2 C61_A3.2 C62_A3.2 C63_A3.2 D1_A3.1 NT1_A3.1 P1_A3.2 P1_A3.3 R3_A3.1 U1_A3.4 U2_A3.2 U2_A3.4 U2_A3.5 U2_A3.6 U3.17 U4_A3.2 U5_A3.2 | length 4439.1
  Top Layer w20: D1_A3.1@747.4,1575.21 v1(800,1575.21) ; v1(1020,1375.21) U4_A3.2@1062.76,1375.21 ; C5_A3.1@1073.5,1590.21 v1@1073.5,1625.21 ; C6_A3.1@1596.5,1585.21 v1(1650,1585.21) ; U2_A3.6@1804.76,1266.32 U2_A3.5@1804.76,1291.91 ; U2_A3.4@1804.76,1317.5 U2_A3.5@1804.76,1291.91 ; v1(1875,1300.21) 1866.69,1291.91 U2_A3.5@1804.76,1291.91 ; NT1_A3.1@2045,1614.58 1975.63,1614.58 2011.05,1650 v1(2130,1650) ; v1(4460,2440) v1(5205,2440)
  Bottom Layer w20: U1_A3.4@938.39,1536.83 v1@938.39,1583.6 ; R3_A3.1@1366.5,1390.21 v1(1424.79,1390.21) ; v1@1878.5,1303.72 C8_A3.1@1878.5,1340.21 ; v1(2130,1650) 2235,1755 2235,2037.91 2278.08,2080.98 2365.98,2080.98 2780,2495 3265,2495 3327.5,2557.5 4342.5,2557.5 v1(4460,2440) ; U3.17@5119.88,2440 v1(5205,2440)
  other v1: 2030,1185.21 1005,1300.21 640,1370.21 325,1385.21 445,1430 1915,1470 1820,1475 1010,1510.21 1455,1520 490,1550.21 940,1585.21 1975,1615.21 1075,1625.21
AGND3: 
AGND4: AGND_A4.1 C1_A4.1 C2_A4.1 C5_A4.1 C6_A4.1 C7_A4.1 C8_A4.1 C50_A4.2 C61_A4.2 C62_A4.2 C63_A4.2 D1_A4.1 NT1_A4.1 P1_A4.2 P1_A4.3 R3_A4.1 U1_A4.4 U2_A4.2 U2_A4.4 U2_A4.5 U2_A4.6 U3.5 U4_A4.2 U5_A4.2 | length 5822.9
  Top Layer w20: D1_A4.1@747.4,1065.21 v1(800,1065.21) ; v1(1020,865.21) U4_A4.2@1062.76,865.21 ; C5_A4.1@1073.5,1080.21 v1@1073.5,1115.21 ; v1(1985.63,1109.58) NT1_A4.1@2060,1109.58 2080.42,1109.58 v3(2130,1060)
  Bottom Layer w20: U1_A4.4@938.39,1026.83 v1@938.39,1073.6 ; R3_A4.1@1366.5,880.21 1410,880.21 1410,840 v1(1405,835) ; v1@1873.5,833.72 C8_A4.1@1873.5,870.21 ; v3(2130,1060) 2160,1030 2160,855 2420,595 2625,595 2664.53,555.47 3145.74,555.47 3290.27,700 4363.28,700 4413.28,750 4900,750 5242.83,1092.83 5242.83,1130.9 5360,1248.06 5360,1695 5565,1900 5565,2305 5550,2320 5550,2590 U3.5@5480.12,2590
  other v1: 770,765 1535,770 1015,775.21 1870,830.21 345,885.21 645,905.21 1495,1010 505,1035.21 940,1075.21 1075,1115.21 1440,1125
AGND4: 
C\O\N\V\S\T\_1: U2_A1.9 U12.6 | length 985
  Top Layer w10: U2_A1.9@2025.24,2210.65 2135.65,2210.65 2150,2225 2350,2225 2465.98,2109.02 2465.98,1784.02 2542.2,1707.8 U12.6@2599.72,1707.8
C\O\N\V\S\T\_2: U2_A2.9 U12.16 | length 664.9
  Top Layer w10: U2_A2.9@2025.24,1715.65 2219.35,1715.65 2260,1675 2335,1675 2500,1510 U12.16@2605,1510
C\O\N\V\S\T\_3: U2_A3.9 U12.26 | length 730.9
  Top Layer w10: U2_A3.9@2025.24,1215.13 2179.87,1215.13 2270,1125 2355,1125 2500,1270 U12.26@2658.78,1270
C\O\N\V\S\T\_4: U2_A4.9 U12.34 | length 1381.4
  Top Layer w10: U2_A4.9@1995,745.13 2004.87,755 2243.22,755 2309.72,688.49 2309.72,685.28 2375,620 2550,620 2570,640 2570,800 2815,1045 U12.34@2815,1274.72
C\S\_\P\O\T\: U3.11 U6.107 | length 1765.3
  Top Layer w10: U6.107@4744.8,1187.68 4744.8,1145.2 4755,1135 4860,1135 4965,1240 5157.43,1240 5325,1407.57 v1(5325,1540)
  Bottom Layer w10: v1(5325,1540) 5330,1545 v1(5330,1755) 5330,1855 5540,2065 5540,2280 5530,2290 U3.11@5480.12,2290
C\S\_\T\B\: P2.1 U6.120 | length 598.3
  Top Layer w10: U6.120@4837.32,1477.05 4902.05,1477.05 4932.5,1507.5 4932.5,1507.6 4969.9,1545 4980,1545 5043.82,1608.82 P2.1@5381,1608.82
D0: U6.52 U12.51 U14.7 | length 1951.2
  Top Layer w10: U12.51@3190.28,1333.78 3233.78,1333.78 3266.57,1366.57 3310.07,1366.57 3583.49,1640 3957.11,1640 3967.55,1650.43 3998.9,1650.43 U6.52@4002.68,1654.21 ; v1@3696.73,2466.73 U14.7@3696.73,2523.5
  Bottom Layer w10: v1(3695,2465) 3692.5,2462.5 3692.5,2347.5 3865,2175 3865,1770 3742.5,1647.5 3742.5,1642.5 v1(3745,1645)
D1: U6.51 U12.52 U14.8 | length 1972.1
  Top Layer w10: U12.52@3190.28,1353.46 3228.46,1353.46 3256.57,1381.57 3303.85,1381.57 3607.28,1685 v1(3705,1685) 3795,1685 3825,1655 3950.9,1655 3966.02,1670.12 3998.9,1670.12 U6.51@4002.68,1673.9 ; v1@3665.24,2400 U14.8@3665.24,2523.5
  Bottom Layer w10: v1(3660,2400) 3660,2335 3850,2145 3850,1787.57 3772.43,1710 3730,1710 v1(3705,1685)
D2: U6.49 U12.53 U14.9 | length 1963.5
  Top Layer w10: U12.53@3190.28,1373.15 3223.15,1373.15 3246.57,1396.57 3297.64,1396.57 3614.33,1713.27 U6.49@4002.68,1713.27 ; v1@3633.74,2430 U14.9@3633.74,2523.5
  Bottom Layer w10: v1(3630,2430) 3630,2330 3835,2125 3835,1793.79 3766.21,1725 3685,1725 3690,1720 v1(3680,1720)
D3: U6.48 U12.54 U14.10 | length 1976.7
  Top Layer w10: U12.54@3190.28,1392.83 3221.62,1392.83 3240.36,1411.57 3291.43,1411.57 3629.85,1750 v1(3645,1750) 3840,1750 3857.05,1732.95 U6.48@4002.68,1732.95 ; v1@3602.24,2472.24 U14.10@3602.24,2523.5
  Bottom Layer w10: v1(3600,2470) 3600,2335 3820,2115 3820,1800 3767.5,1747.5 3668.61,1747.5 3666.11,1750 3660,1750 v1@3650,1740
D4: U6.46 U12.55 U14.13 | length 1943.9
  Top Layer w10: U12.55@3190.28,1412.52 3220.09,1412.52 3234.15,1426.57 3285.21,1426.57 3617.5,1758.86 3617.5,1761.39 3633.61,1777.5 3656.39,1777.5 3661.57,1772.32 U6.46@4002.68,1772.32 ; v1(3507.76,2470) U14.13@3507.76,2523.5
  Bottom Layer w10: v1(3507.76,2470) 3507.76,2387.24 3805,2090 3805,1815 3765,1775 3762.5,1777.5 v1(3677.5,1777.5)
D5: U6.45 U12.56 U14.14 | length 1894.6
  Top Layer w10: U12.56@3190.28,1432.2 3218.57,1432.2 3227.94,1441.57 3279,1441.57 3602.5,1765.07 3602.5,1767.6 3639.9,1805 3869.9,1805 3877.4,1797.5 3907.5,1797.5 3912.99,1792.01 U6.45@4002.68,1792.01 ; v1@3476.26,2451.26 U14.14@3476.26,2523.5
  Bottom Layer w10: v1(3475,2445) 3475,2385 3790,2070 3790,1835 3755,1800 3720,1800 3709.22,1810.78 v1(3700.78,1810.78)
D6: U6.43 U12.57 U14.15 | length 1820.6
  Top Layer w10: U12.57@3190.28,1451.89 3217.04,1451.89 3221.72,1456.57 3272.79,1456.57 3587.5,1771.29 3587.5,1773.82 3653.68,1840 3735,1840 3750,1825 3871.11,1825 3883.61,1812.5 3906.39,1812.5 3918.89,1825 3964.95,1825 3967.55,1827.6 3998.9,1827.6 U6.43@4002.68,1831.38 ; v1@3444.76,2435 U14.15@3444.76,2523.5
  Bottom Layer w10: v1(3440,2420) 3440,2385 3775,2050 3775,1870 v1(3740,1835)
D7: U6.41 U12.58 U14.16 | length 1792
  Top Layer w10: U12.58@3190.28,1471.57 3266.57,1471.57 3572.5,1777.5 3572.5,1780.03 3662.47,1870 v1(3710,1870) 3710.75,1870.75 U6.41@4002.68,1870.75 ; v1@3413.27,2395 3412.5,2395.77 3412.5,2522.74 U14.16@3413.27,2523.5
  Bottom Layer w10: v1(3410,2390) 3410,2385 3575,2220 3575,2175 3750,2000 3750,1993.89 3757.5,1986.39 3757.5,1963.61 3750,1956.11 3750,1920 3710,1880 v1(3710,1870)
D8: U6.66 U12.61 U14.29 | length 2152.2
  Top Layer w10: v1(3155,1925) 3165,1925 3195,1955 3365,1955 3414.27,2004.27 U14.29@3414.27,2076.5 ; U12.61@3190.28,1530.63 3140.48,1530.63 3126.39,1516.54 3103.61,1516.54 3089.52,1530.63 3064.17,1530.63 3064.17,1390.83 3155,1300 3261.21,1300 3297.79,1336.57 3322.49,1336.57 3370.92,1385 3964.95,1385 3967.55,1382.4 3998.9,1382.4 U6.66@4002.68,1378.62
  Bottom Layer w10: v1(3075,1530) 3017.5,1587.5 3017.5,1822.5 3120,1925 v1(3155,1925)
D9: U6.64 U12.62 U14.30 | length 2066.6
  Top Layer w10: v1(3100,1475) 3100,1380 3165,1315 3255,1315 3291.57,1351.57 3316.28,1351.57 3382.21,1417.5 3898.61,1417.5 3903.61,1412.5 3926.39,1412.5 3931.39,1417.5 4002.18,1417.5 U6.64@4002.68,1417.99 ; v1@3101.89,1553.11 3187.48,1553.11 U12.62@3190.28,1550.32 ; v1(3177.22,1890) 3180,1890 3230,1940 3371.21,1940 3445.76,2014.55 U14.30@3445.76,2076.5
  Bottom Layer w10: v1(3100,1475) 3115,1490 v1(3115,1544.04) 3100.96,1544.04 3090,1555 3032.5,1612.5 3032.5,1742.5 3177.22,1887.22 v1(3177.22,1890)
D10: U6.63 U12.64 U14.31 | length 1812.1
  Top Layer w10: v1(3060,1670) 3060,1636.11 3113.61,1582.5 3136.39,1582.5 3141.39,1587.5 3304.52,1587.5 v1@3312.85,1579.17 ; v1@3240,1910 3255,1925 3377.43,1925 3477.26,2024.83 U14.31@3477.26,2076.5 ; v1(3915,1440) U6.63@4000.35,1440
  Bottom Layer w10: v1(3060,1670) 3060,1635 3065,1630 3065,1753.79 3171.21,1860 3188.79,1860 3197.5,1868.71 3197.5,1871.39 3207.5,1881.39 3207.5,1882.5 3230,1905 v1(3240,1905) ; v1(3305,1585) 3395,1585 3540,1440 v1(3915,1440)
D11: U6.61 U12.66 U14.32 | length 1611.9
  Top Layer w10: v1(3130,1750) 3130,1650 3150.94,1629.06 U12.66@3190.28,1629.06 3260.94,1629.06 v1(3275,1615) ; v1(3225,1860) 3233.89,1860 3283.89,1910 3395,1910 3508.76,2023.76 U14.32@3508.76,2076.5 ; v1(3870,1475) 3872.5,1472.5 3954.32,1472.5 3956.82,1475 U6.61@4000.63,1475
  Bottom Layer w10: v1@3127.5,1752.5 3225,1850 v1(3225,1860) ; v1(3275,1615) 3470,1615 3627.5,1457.5 3852.5,1457.5 v1(3870,1475)
D12: U6.59 U12.67 U14.35 | length 1427
  Top Layer w10: U12.67@3190.28,1648.74 v1(3303.74,1648.74) 3603.24,1948.24 3603.24,1997.87 3597.5,2003.61 3597.5,2070.75 U14.35@3603.24,2076.5 ; v1(3915,1515) 3917.5,1517.5 3954.32,1517.5 3956.82,1515 4001.26,1515 U6.59@4002.68,1516.42
  Bottom Layer w10: v1(3303.74,1648.74) 3576.26,1648.74 3710,1515 v1(3915,1515)
D13: U6.58 U12.68 U14.36 | length 1370.8
  Top Layer w10: U12.68@3190.28,1668.43 3268.43,1668.43 v1(3390,1790) 3393.89,1790 v1(3545,1941.11) ; U14.36@3634.74,2076.5 3634.74,2020.26 v1@3635,2020 ; v1@3825,1537.5 3832.5,1545 3861.11,1545 3863.61,1542.5 3886.39,1542.5 3888.89,1545 3962.43,1545 3967.55,1539.88 3998.9,1539.88 U6.58@4002.68,1536.1
  Bottom Layer w10: v1(3390,1790) 3465,1790 3710,1545 v1(3825,1545) ; v1(3545,1941.11) 3566.11,1941.11 3630,2005 3625,2010 v1(3625,2015)
D14: U6.56 U12.69 U14.37 | length 1395.5
  Top Layer w10: U12.69@3190.28,1688.11 3248.11,1688.11 v1(3465,1905) ; v1(3665,2020) U14.37@3665,2057.73 ; v1@3877.5,1572.5 3885,1565 3960.85,1565 3967.55,1571.69 3998.9,1571.69 U6.56@4002.68,1575.47
  Bottom Layer w10: v1(3395,1830) 3395,1840 3410,1825 3488.79,1825 3743.79,1570 3811.11,1570 3813.61,1572.5 3872.5,1572.5 v1(3875,1570) ; v1(3465,1905) 3561.82,1905 3667.5,2010.68 3665,2013.18 v1(3665,2020)
D15: U6.55 U12.70 U14.38 | length 1437.3
  Top Layer w10: U12.70@3190.28,1707.8 3222.8,1707.8 v1(3387.45,1872.45) ; v1(3690,1985) 3695,1990 3695,2045.46 3690,2050.46 3690,2068.76 U14.38@3697.73,2076.5 ; v1@3925.16,1595.16 U6.55@4002.68,1595.16
  Bottom Layer w10: v1@3676.39,1982.5 3676.39,1971.39 3577.45,1872.45 v1(3387.45,1872.45) 3462.55,1872.45 3704.32,1630.68 3717.5,1630.68 3753.18,1595 3861.11,1595 3863.61,1597.5 3922.5,1597.5 v1(3925,1595)